# Altium PCB CATS-Telemetry.PcbDoc
Units mm, origin at the board's own origin, x right, y up, seen from the top; angles counter-clockwise.
Board outline 66 x 33 mm, 4 copper layers (Top Layer, Mid Layer 1, Mid Layer 2, Bottom Layer), stack 1.57 mm thick; 48 components, 39 nets, 218 pads, 0 vias.
Unrouted connection lines stored in the file: 146.
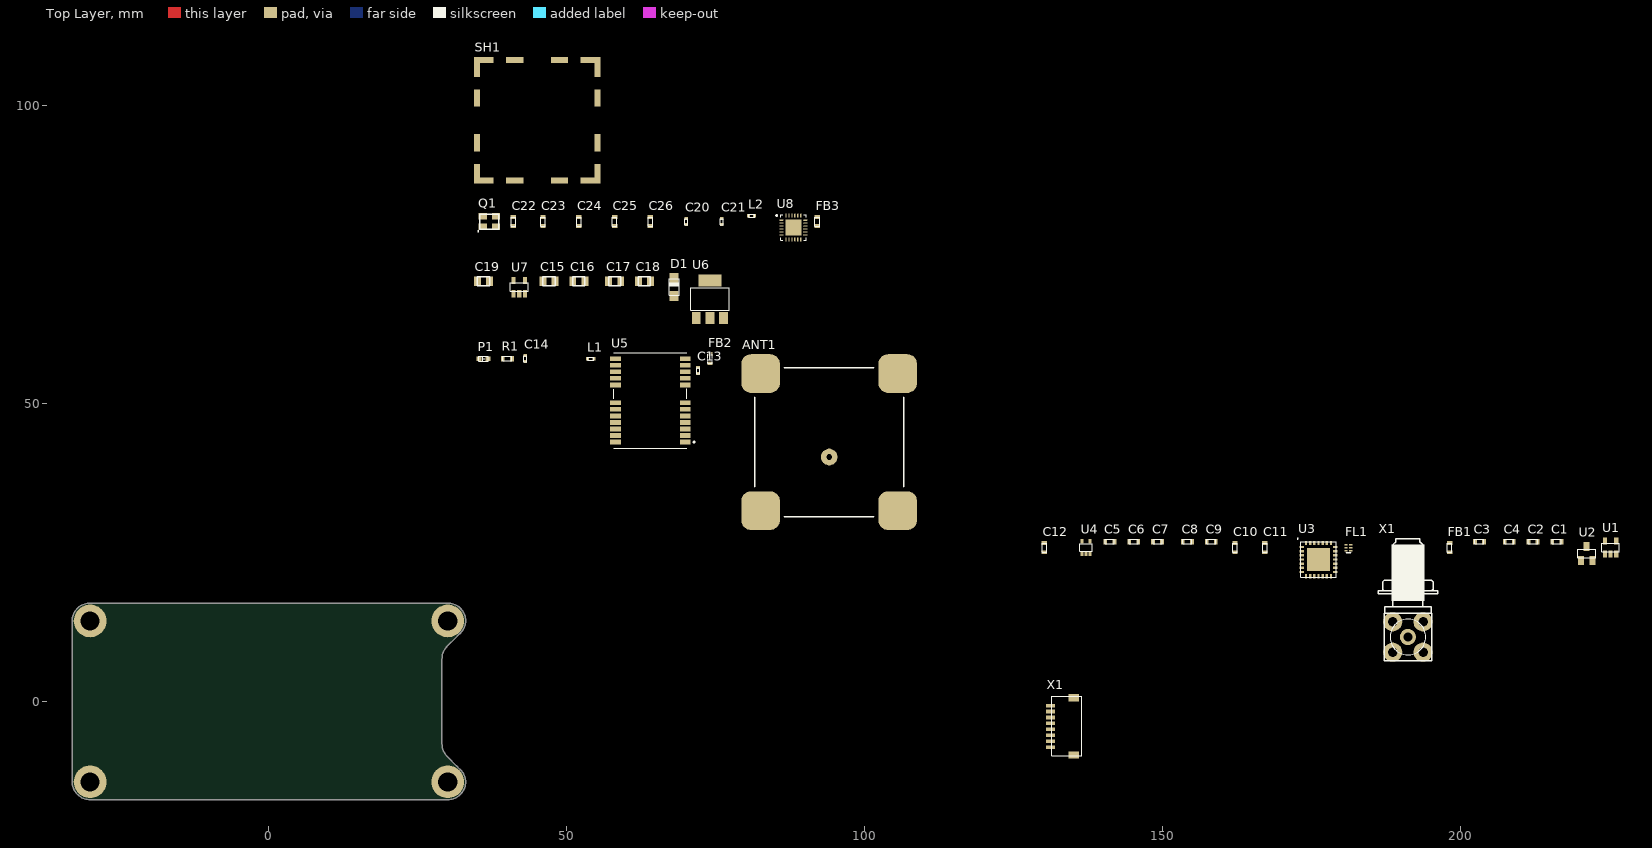
[diagram p0: Top Layer view]
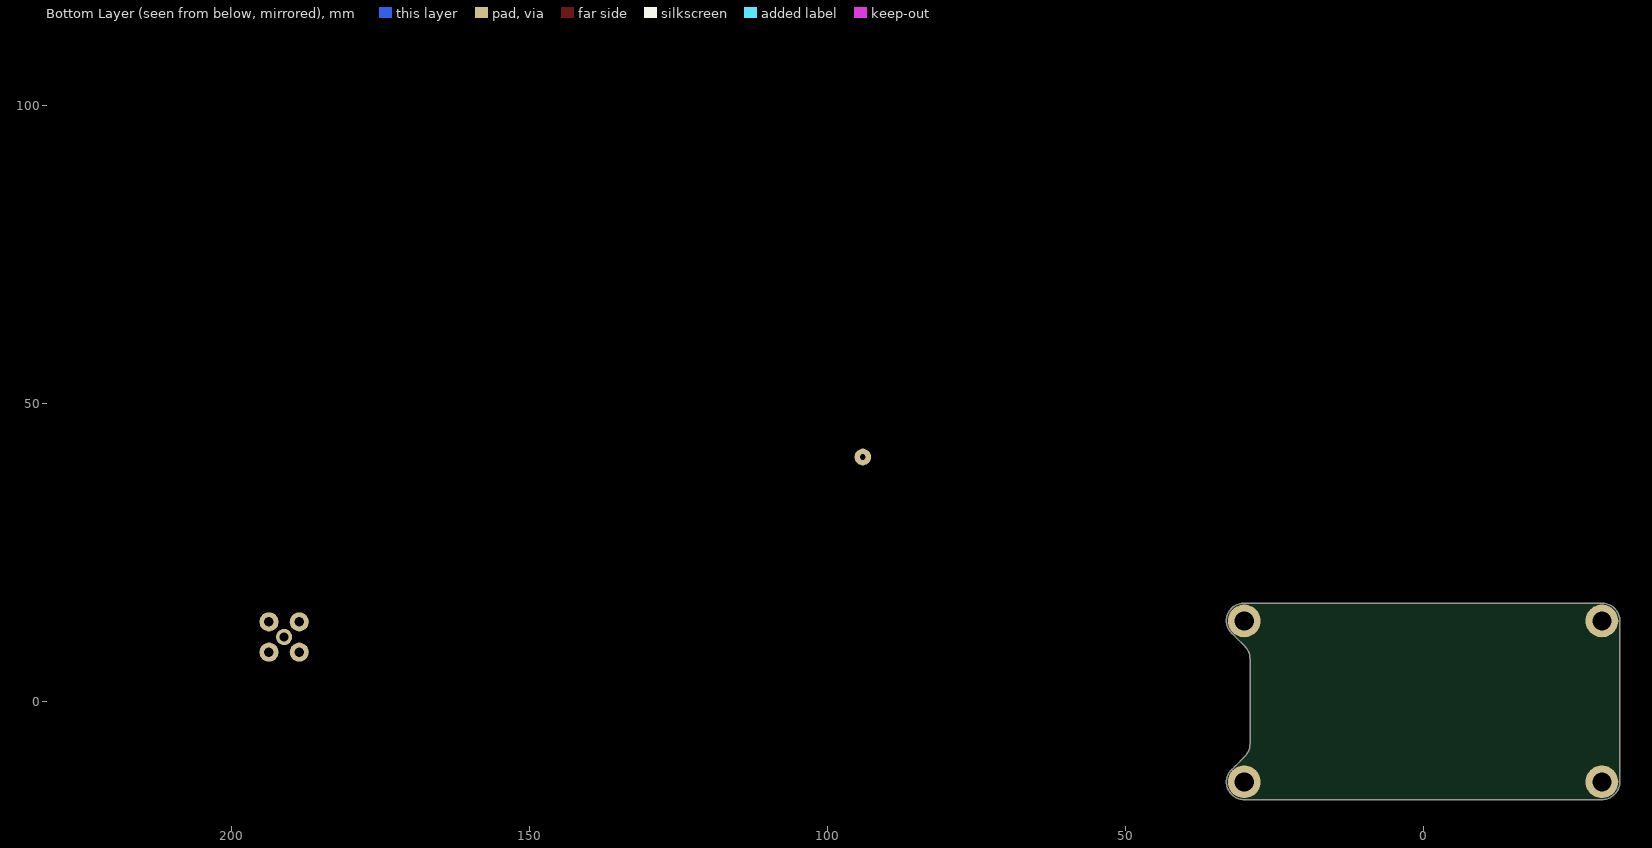
[diagram p1: Bottom Layer view, seen from below]

## Layer stack, top to bottom
Top Solder: solder mask 0.0127, Solder Resist, Dk 3.8
Top Layer: signal copper 0.035
Dielectric 1: prepreg 0.1, 2313, Dk 4.05
Mid Layer 1: signal copper 0.0175
Core: core 1.265, FR-4, Dk 4.5
Mid Layer 2: signal copper 0.0175
Dielectric 2: prepreg 0.1, 2313, Dk 4.05
Bottom Layer: signal copper 0.035
Bottom Solder: solder mask 0.0127, Solder Resist, Dk 3.8

## Board outline
-30,-16.5 cw(c-30,-13.5) -33,-13.5 -33,13.5 cw(c-30,13.5) -30,16.5 30,16.5 cw(c30,13.5) 33,13.5 cw(c30.199,13.5) 32.18,11.519 31.664,11.004 31.479,10.819 29.93,9.27 ccw(c32.098,7.102) 29.032,7.102 29.032,-7.102 ccw(c32.098,-7.102) 29.93,-9.27 31.479,-10.819 31.664,-11.004 32.18,-11.519 cw(c30.199,-13.5) 33,-13.5 cw(c30,-13.5) 30,-16.5

## Design rules (kind name [scope] priority, off if disabled: settings)
Clearance [All] p1: gap=0.254 ignorepadtopadclearanceinfootprint=FALSE except(0: Arc-Hole Track-Hole SMDPad-Hole THPad-Hole Via-Hole Fill-Hole Poly-Hole Region-Hole Text-Hole)
MaxMinImpedance "Schematic Impedance Constraint_9" [InNet('NetC21_2')] p1: minimum=50,00 maximum=50,00
MaxMinImpedance "Schematic Impedance Constraint_8" [InNet('NetC21_2')] p2: minimum=50,00 maximum=50,00
MaxMinImpedance "Schematic Impedance Constraint_7" [InNet('NetC21_2')] p3: minimum=50,00 maximum=50,00
MaxMinImpedance "Schematic Impedance Constraint_6" [InNet('NetFL1_5')] p4: minimum=50,00 maximum=50,00
MaxMinImpedance "Schematic Impedance Constraint_5" [InNet('NetC20_2')] p5: minimum=50,00 maximum=50,00
MaxMinImpedance "Schematic Impedance Constraint_1" [InNet('NetFL1_2')] p6: minimum=50,00 maximum=50,00
PolygonConnect [All] p1: connectstyle=Relief reliefconductorwidth=0.254 reliefentries=4 polygonreliefangle="90 Angle" airgapwidth=0.254
RoomDefinition U_RF [InComponentClass('U_RF')] p1: confinementstyle=ConfineIn formatcopy=TRUE lockcomponents=FALSE outline 34,86.5 56,86.5 56,111.5 34,111.5
RoomDefinition U_Radio [InComponentClass('U_Radio')] p2: confinementstyle=ConfineIn formatcopy=TRUE lockcomponents=FALSE outline 34,76.5 97,76.5 97,85.5 34,85.5
RoomDefinition U_PM [InComponentClass('U_PM')] p3: confinementstyle=ConfineIn formatcopy=TRUE lockcomponents=FALSE outline 34,62.5 78,62.5 78,75.5 34,75.5
RoomDefinition U_GNSS [InComponentClass('U_GNSS')] p4: confinementstyle=ConfineIn formatcopy=TRUE lockcomponents=FALSE outline 34,28.5 109,28.5 109,61.5 34,61.5
RoomDefinition U_Frontend [InComponentClass('U_Frontend')] p5: confinementstyle=ConfineIn formatcopy=TRUE lockcomponents=FALSE outline 129.1,-10.2 227.1,-10.2 227.1,30.8 129.1,30.8
RoutingVias [All] p1: holewidth=0.711 width=1.27 viastyle="Through Hole" minholewidth=0.711 minwidth=1.27 maxholewidth=0.711 maxwidth=1.27
SolderMaskExpansion [All] p1: expansion=0.102
Width [All] p1: maxlimit=0.254 minlimit=0.254 preferedwidth=0.254
30 further rules are at their usual default settings.

## Classes and differential pairs
component class U_RF: SH1
component class U_Radio: C20 C21 C22 C23 C24 C25 C26 FB3 L2 Q1 U8
component class U_PM: C15 C16 C17 C18 C19 D1 U6 U7
component class U_GNSS: ANT1 C13 C14 FB2 L1 P1 R1 U5
component class U_Frontend: C1 C2 C3 C4 C5 C6 C7 C8 C9 C10 C11 C12 FB1 FL1 U1 U2 U3 U4 X1
component class Overview: X1

## Components (designator, comment, footprint, x,y, rotation, side; value= is the part's Value field where it differs from the comment)
ANT1 "ANT-GNSSCP-TH25L1" "THT ANTENNA ANT-GNSSCP-TH25L1" 94,43.5 r0 top
C1 "100nF" "SMD KERAMIKKONDENSATOR 0603" 216.1,26.8 r0 top
C2 "100nF" "SMD KERAMIKKONDENSATOR 0603" 212.1,26.8 r0 top
C3 "100nF" "SMD KERAMIKKONDENSATOR 0603" 203.1,26.8 r0 top
C4 "10nF" "SMD KERAMIKKONDENSATOR 0603" 208.1,26.8 r0 top
C5 "10uF" "SMD KERAMIKKONDENSATOR 0603" 141.1,26.8 r0 top
C6 "10pF" "SMD KERAMIKKONDENSATOR 0603" 145.1,26.8 r0 top
C7 "100nF" "SMD KERAMIKKONDENSATOR 0603" 149.1,26.8 r0 top
C8 "10pF" "SMD KERAMIKKONDENSATOR 0603" 154.1,26.8 r0 top
C9 "10pF" "SMD KERAMIKKONDENSATOR 0603" 158.1,26.8 r0 top
C10 "100nF" "SMD KERAMIKKONDENSATOR 0603" 162.1,25.8 r90 top
C11 "100nF" "SMD KERAMIKKONDENSATOR 0603" 167.1,25.8 r90 top
C12 "100nF" "SMD KERAMIKKONDENSATOR 0603" 130.1,25.8 r90 top
C13 "TBD" "SMD KERAMIKKONDENSATOR 0402" 72,55.508 r90 top
C14 "TBD" "SMD KERAMIKKONDENSATOR 0402" 43,57.5 r90 top
C15 "22uF" "SMD KERAMIKKONDENSATOR 0805" 47,70.5 r0 top
C16 "22uF" "SMD KERAMIKKONDENSATOR 0805" 52,70.5 r0 top
C17 "22uF" "SMD KERAMIKKONDENSATOR 0805" 58,70.5 r0 top
C18 "22uF" "SMD KERAMIKKONDENSATOR 0805" 63,70.5 r0 top
C19 "22uF" "SMD KERAMIKKONDENSATOR 0805" 36,70.5 r0 top
C20 "TBD" "SMD KERAMIKKONDENSATOR 0402" 70,80.5 r90 top
C21 "TBD" "SMD KERAMIKKONDENSATOR 0402" 76,80.5 r90 top
C22 "100nF" "SMD KERAMIKKONDENSATOR 0603" 41,80.5 r90 top
C23 "100nF" "SMD KERAMIKKONDENSATOR 0603" 46,80.5 r90 top
C24 "10nF" "SMD KERAMIKKONDENSATOR 0603" 52,80.5 r90 top
C25 "470nF" "SMD KERAMIKKONDENSATOR 0603" 58,80.5 r90 top
C26 "10nF" "SMD KERAMIKKONDENSATOR 0603" 64,80.5 r90 top
D1 "PMEG4030ER,115" "SMD DIODE SOD-123" 68,69.5 r90 top
FB1 "BLM18KG102SN1D" "SMD FERRITE BEAD 0603" 198.1,25.8 r90 top
FB2 "BLM18KG102SN1D" "SMD FERRITE BEAD 0603" 74,57.5 r90 top
FB3 "BLM18KG102SN1D" "SMD FERRITE BEAD 0603" 92,80.5 r90 top
FL1 "2450LP14A100T" "SMD FILTER 2450LP14A100T" 181.1,25.8 r0 top
L1 "TBD" "SMD FERRITE BEAD 0402" 54,57.5 r0 top
L2 "TBD" "SMD FERRITE BEAD 0402" 81,81.5 r0 top
P1 "LED" "SMD LED 0603" 36,57.5 r0 top
Q1 "52MHz" "SMD CRYSTAL 3.2X2.5X0.8" 37,80.5 r0 top
R1 "1.0k" "SMD WIDERSTAND 0603" 40,57.5 r0 top
SH1 "RF-Shield" "SMD SHIELD 36903205S" 45,97.5 r0 top
U1 "TPS793285DBVR" "SMD IC SOT-23-5" 225.1,25.8 r0 top
U2 "TMP236" "SMD IC SOT-23" 221.1,24.8 r0 top
U3 "SKY65383-11" "SMD IC 28-MCM" 176.1,23.8 r0 top
U4 "NC7SZ04P5X" "SMD IC SOT-353 (SC-70-5)" 137.1,25.8 r0 top
U5 "NEO-M9N" "SMD NEO" 64,50.5 r0 top
U6 "MIC39100-3.3WS-TR" "SMD IC SOT-223-3" 74,67.5 r0 top
U7 "XC6219A332MR" "SMD IC SOT-23-5" 42,69.5 r0 top
U8 "SX1280IMLTRT" "SMD IC QFN-24" 88,79.5 r0 top
X1 "SMA" "THT BUCHSE SMA FEMALE" 191.1,10.8 r0 top
X1 "JST SH 8-Pin" "SMD CONNECTOR JST-SR 8 PIN" 133.1,-4.2 r90 top

## Footprints (in the part's own frame and the unit in brackets; to place one, negate y for a bottom-side part, rotate by r counter-clockwise, add the part's x,y. Pads: shape width x height; smd on the part's side, far side on the other; paste and mask are expansions set on the pad)
"SMD CONNECTOR JST-SR 8 PIN" [mm]
  rect 0.6x1.55 smd: 1(-3.5,1.95) 2(-2.5,1.95) 3(-1.5,1.95) 4(-0.5,1.95) 5(0.5,1.95) 6(1.5,1.95) 7(2.5,1.95) 8(3.5,1.95)
  rect 1.2x1.8 smd: NC(-4.8,-1.95) NC(4.8,-1.95)
  silkscreen extent -4.9,-3.25 5.1,1.75, body extent -4.9,-3.24 5.1,1.71, height 2.96
"SMD CRYSTAL 3.2X2.5X0.8" [mm] "SMD_LED_RED"
  rect 1.4x1.1 smd: 1(-1.1,-0.9) 2(1.1,0.9) 3(-1.1,0.9) 3(1.1,-0.9)
  silkscreen extent -2,-1.7 1.6,1.25, body extent -1.65,-1.3 1.65,1.3, height 0.8
"SMD DIODE SOD-123" [mm] "SM LED; 2 Flat Leads"
  rect 1.7x1.5 smd: A(-1.5,0) K(1.5,0)
  silkscreen extent -1.4,-0.88 1.4,0.9, body extent -1.93,-0.85 1.93,0.85, height 1.42
"SMD FERRITE BEAD 0402" [mil]
  rect 20x24 smd: 1(-20,0) 2(20,0)
  silkscreen extent -20,-10 20,10, body extent -20,-10 20,10, height 20
"SMD FERRITE BEAD 0603" [mil]
  rect 25x35 smd: 1(-30,0) 2(30,0)
  silkscreen extent -30,-15 30,15, body extent -31,-16 31,16, height 33
"SMD FILTER 2450LP14A100T" [mm]
  rect 0.55x0.25 smd: 1(-0.4,0.5) 2(-0.4,0) 3(-0.4,-0.5) 4(0.4,-0.5) 5(0.4,0) 6(0.4,0.5)
  silkscreen extent -0.38,-0.87 0.38,-0.87, body extent -0.5,-0.8 0.4,1.1, height 4.12
"SMD IC 28-MCM" [mm]
  rect 3.875x3.875 smd: 0(0,0)
  rect 0.7x0.4 smd: 1(-2.8,2.1) 2(-2.8,1.4) 3(-2.8,0.7) 4(-2.8,0) 5(-2.8,-0.7) 6(-2.8,-1.4) 7(-2.8,-2.1) 15(2.8,-2.1) 16(2.8,-1.4) 17(2.8,-0.7) 18(2.8,0) 19(2.8,0.7) 20(2.8,1.4) 21(2.8,2.1)
  rect 0.4x0.7 smd: 8(-2.1,-2.8) 9(-1.4,-2.8) 10(-0.7,-2.8) 11(0,-2.8) 12(0.7,-2.8) 13(1.4,-2.8) 14(2.1,-2.8) 22(2.1,2.8) 23(1.4,2.8) 24(0.7,2.8) 25(0,2.8) 26(-0.7,2.8) 27(-1.4,2.8) 28(-2.1,2.8)
  silkscreen extent -3.58,-3 3,3.58, body extent -3,-3 3,3, height 0.85
"SMD IC QFN-24" [mm] "QFN, 24-Leads, Body 4x4mm, Pitch 0.5mm, Thermal Pad 2.68x2.68mm, IPC Medium Density"
  rect 2.68x2.68 smd: 0(0,0)
  oval 0.7x0.22 smd: 1(-2,1.25) 2(-2,0.75) 3(-2,0.25) 4(-2,-0.25) 5(-2,-0.75) 6(-2,-1.25) 13(2,-1.25) 14(2,-0.75) 15(2,-0.25) 16(2,0.25) 17(2,0.75) 18(2,1.25)
  oval 0.22x0.7 smd: 7(-1.25,-2) 8(-0.75,-2) 9(-0.25,-2) 10(0.25,-2) 11(0.75,-2) 12(1.25,-2) 19(1.25,2) 20(0.75,2) 21(0.25,2) 22(-0.25,2) 23(-0.75,2) 24(-1.25,2)
  silkscreen extent -2.92,-2.15 2.15,2.15, body extent -2,-2 2,2, height 0.9
"SMD IC SOT-23" [mm]
  rect 1x1.5 smd: 1(-0.95,-1.2) 2(0.95,-1.2) 3(0,1.2)
  silkscreen extent -1.5,-0.7 1.5,0.7, body extent -1.5,-1.3 1.5,1.2, height 1.1
"SMD IC SOT-23-5" [mm]
  rect 0.7x1.2 smd: 1(-0.95,-1.1) 2(0,-1.1) 3(0.95,-1.1) 4(0.95,1.1) 5(-0.95,1.1)
  silkscreen extent -1.5,-0.7 1.5,0.7, body extent -1.5,-1.2 1.5,1.3, height 1.1
"SMD IC SOT-223-3" [mm]
  rect 1.5x2 smd: 1(-2.3,-3.15) 2(0,-3.15) 3(2.3,-3.15)
  rect 3.8x2 smd: 2(0,3.15)
  silkscreen extent -3.2,-1.9 3.2,1.9, body extent -3.25,-3.48 3.25,3.48, height 1.65
"SMD IC SOT-353 (SC-70-5)" [mm]
  rect 0.5x0.8 smd: 1(-0.65,-1.05) 2(0,-1.05) 3(0.65,-1.05) 4(0.65,1.05) 5(-0.65,1.05)
  silkscreen extent -1.05,-0.63 1.05,0.63, body extent -1.05,-1.15 1.05,1.15, height 1
"SMD KERAMIKKONDENSATOR 0402" [mil]
  rect 20x24 smd: 1(-20,0) 2(20,0)
  silkscreen extent -20,-10 20,10, body extent -20,-10 20,10, height 20
"SMD KERAMIKKONDENSATOR 0603" [mil]
  rect 25x35 smd: 1(-30,0) 2(30,0)
  silkscreen extent -30,-15 30,15, body extent -31,-16 32,16, height 32
"SMD KERAMIKKONDENSATOR 0805" [mil]
  rect 45x65 smd: 1(-40,0) 2(40,0)
  silkscreen extent -40,-30 40,30, body extent -39,-25 39,25, height 31
"SMD LED 0603" [mm] "SMD_LED_RED"
  rect 0.8x0.8 smd: A(-0.75,0) K(0.75,0)
  silkscreen extent -0.8,-0.4 0.8,0.4, body extent -0.81,-0.37 0.84,0.36, height 0.68
"SMD NEO" [mm]
  rect 1.8x0.8 smd paste-0.1: 1(5.842,-7) 2(5.842,-5.9) 3(5.842,-4.8) 4(5.842,-3.7) 5(5.842,-2.6) 6(5.842,-1.5) 7(5.842,-0.4) 8(5.842,2.6) 9(5.842,3.7) 10(5.842,4.8) 11(5.842,5.9) 12(5.842,7) 13(-5.842,7) 14(-5.842,5.9) 15(-5.842,4.8) 16(-5.842,3.7) 17(-5.842,2.6) 18(-5.842,-0.4) 19(-5.842,-1.5) 20(-5.842,-2.6) 21(-5.842,-3.7) 22(-5.842,-4.8) 23(-5.842,-5.9) 24(-5.842,-7)
  silkscreen extent -6.11,-8 7.41,8, body extent -6.1,-8 6.1,8, height 2.28
"SMD SHIELD 36903205S" [mm]
  rect 1x3.3 smd: 0(-10.1,-8.95) 0(-10.1,8.95) 0(10.1,-8.95) 0(10.1,8.95)
  rect 1x2.9 smd: 0(-10.1,-3.75) 0(-10.1,3.75) 0(10.1,-3.75) 0(10.1,3.75)
  rect 3.3x1 smd: 0(-8.95,-10.1) 0(-8.95,10.1) 0(8.95,-10.1) 0(8.95,10.1)
  rect 2.9x1 smd: 0(-3.75,-10.1) 0(-3.75,10.1) 0(3.75,-10.1) 0(3.75,10.1)
  body extent -10.2,-10.2 10.2,10.2, height 3.2
"SMD WIDERSTAND 0603" [mil]
  rect 25x35 smd: 1(-30,0) 2(30,0)
  silkscreen extent -30,-15 30,15, body extent -31,-16 31,16, height 18
"THT ANTENNA ANT-GNSSCP-TH25L1" [mm]
  round 2.8 hole 0.95: 1(0,-2.5)
  rrect50% 6.5x6.5 smd: NC(-11.5,-11.5) NC(-11.5,11.5) NC(11.5,-11.5) NC(11.5,11.5)
  silkscreen extent -12.5,-12.5 12.5,12.5, body extent -12.55,-12.55 12.55,12.55, height 4.12
"THT BUCHSE SMA FEMALE" [mm]
  round 2.7 hole 1.5: 1(0,0)
  round 3.2 hole 1.6: 2(-2.54,-2.54) 2(-2.54,2.54) 2(2.54,-2.54) 2(2.54,2.54)
  silkscreen extent -5,-4 5,16.5, body extent -5.1,-4 5.1,16.5, height 11.5

## Part data
ANT1: "1.575GHz, 1.602GHz Beidou, Galileo, GLONASS, GNSS, GPS Ceramic Patch RF Antenna 1.567GHz ~ 1.609GHz 3.5dBi, 4dBi, 4dBi Pin Adhesive", ComponentLink1Description=Datasheet, ComponentLink1URL=https://linxtechnologies.com/wp/wp-content/uploads/ant-gnsscp-th25l1-ds.pdf
C1 C2 C3 C7 C10 C11 C12 C22 C23: library part "E6 - 100nF", "SMD Ceramic Capacitor E6", Number=-, Supplier=-, Unit Price=0.01
C4 C24 C26: library part "E6 - 10nF", "SMD Ceramic Capacitor E6", Number=-, Supplier=-, Unit Price=0.01
C5: library part "E6 - 10uF", "SMD Ceramic Capacitor E6", Number=-, Supplier=-, Unit Price=0.01
C6 C8 C9 C13 C14 C20 C21: library part "E6 - 10pF", "SMD Ceramic Capacitor E6", Number=-, Supplier=-, Unit Price=0.01
C15 C16 C17 C18 C19: library part "E6 - 22uF", "SMD Ceramic Capacitor E6", Number=-, Supplier=-, Unit Price=0.01
C25: library part "E6 - 470nF", "SMD Ceramic Capacitor E6", Number=-, Supplier=-, Unit Price=0.01
D1: "Diode Schottky 3A Surface Mount CFP3", Digikey=1727-5313-2-ND
FB1 FB2 FB3: "1 kOhms @ 100MHz 1 Power Line Ferrite Bead 0603 (1608 Metric) 1A 200mOhm", ComponentLink1Description=Datasheet, ComponentLink1URL=https://www.murata.com/en-us/products/productdata/8796738650142/ENFA0003.pdf, Digikey=490-17349-1-ND
FL1: "2.45GHz Center Frequency Low Pass RF Filter (Radio Frequency) 100MHz Bandwidth 0.5dB 0603 (1608 Metric), 6 PC Pad", ComponentLink1Description=Datasheet, ComponentLink1URL=https://www.johansontechnology.com/datasheets/2450LP14A100/2450LP14A100.pdf, Digikey=712-1129-2-ND
L1 L2: library part "Inductor Pi-Matching", "Pi-Matchng Inductor"
P1: "Color LED"
Q1: library part "Crystal 52MHz - FL520WFMT1", "52MHz ±7ppm Crystal 12pF 30 Ohms 4-SMD, No Lead", ComponentLink1Description=Datasheet, ComponentLink1URL=https://www.diodes.com/assets/Datasheets/FL.pdf
R1: library part "E24 - 1.0k", "SMD Chip Resistor E24", Number=-, Supplier=-, Unit Price=0.01
SH1: library part "RF-Shield 20x20mm", "RF Shield Cover 0.787\" (20.00mm) X 0.787\" (20.00mm) Non-Vented Snap Fit"
U1: "Linear Voltage Regulator IC Positive Fixed 1 Output  200mA SOT-23-5 2.85V", ComponentLink1Description=Datasheet, ComponentLink1URL=https://media.digikey.com/pdf/Data%20Sheets/Texas%20Instruments%20PDFs/TPS793_Rev2015.pdf, Digikey=296-12157-1-ND
U2: "Low-Power, High-Accuracy Analog Output Temperature Sensors", ComponentLink1Description=Datasheet, ComponentLink1URL=https://www.ti.com/lit/ds/symlink/tmp236.pdf?HQS=dis-dk-null-digikeymode-dsf-pf-null-wwe&ts=1624574807670&ref_url=https%253A%252F%252Fwww.digikey.ch%252F, Digikey=296-TMP236A4DBZRCT-ND
U3: "2400 to 2483 MHz Transmit/Receive / Front-End Module +30dBm", ComponentLink1Description=Datasheet, ComponentLink1URL=https://www.skyworksinc.com/-/media/SkyWorks/Documents/Products/2901-3000/SKY65383-11_202668G.pdf, Digikey=863-1798-1-ND
U4: "Inverter IC 1 Channel  SC-70-5", ComponentLink1Description=Datasheet, ComponentLink1URL=https://rocelec.widen.net/view/pdf/vg5irfcitj/ONSM-S-A0003590433-1.pdf?t.download=true&u=5oefqw
U5: "u-blox M9 standard precision module", ComponentLink1Description=Datasheet, ComponentLink1URL=https://www.u-blox.com/sites/default/files/NEO-M9N_Integrationmanual_%28UBX-19014286%29.pdf, Digikey=672-NEO-M9N-00BTR-ND
U6: "Linear Voltage Regulator IC Positive Fixed 1 Output 1A SOT-223-3", ComponentLink1Description=Datasheet, ComponentLink1URL=https://ww1.microchip.com/downloads/en/DeviceDoc/20005834A.pdf, Digikey=MIC39100-3.3WS-TR-ND
U7: "300mA High Speed LDO Regulators with ON/OFF Switch", ComponentLink1Description=Datasheet, ComponentLink1URL=https://datasheet.lcsc.com/szlcsc/1809201520_Torex-Semicon-XC6219A332MR_C58229.pdf, Digikey=893-1167-1-ND
U8: "Long Range, Low Power, 2.4 GHz / Transceiver with Ranging Capability", ComponentLink1Description=Datasheet, ComponentLink1URL=https://media.digikey.com/pdf/Data%20Sheets/Semtech%20PDFs/SX1280-81_Rev3.2_Mar2020.pdf, Digikey=SX1280IMLTRTCT-ND
X1: library part "SMA Connector", "Female SMA Connector THT", Digikey=931-1361-ND
X1: "Crimp Style Connectors (Wire-to-Board type)", Digikey=455-1808-1-ND

## Free pads (board coordinates)
  round 5.5 hole 3.2: NC(-30,-13.5) NC(-30,13.5) NC(30,-13.5) NC(30,13.5)

## Nets (pads, with @x,y where several pads share a name; then routed paths per layer and width w, separated by ;. In a path a pad name is that pad's centre, name@x,y a point inside that pad or via, vN(x,y) a via of type N, cw(c..) or ccw(c..) an arc to the next point about the centre after c; other vN are vias at no path point)
2V85: C3.2 C10.2 C11.2 U1.5 U3.27 U3.28
3V3: C1.2 C12.2 C19.2 C23.2 U2.1 U4.5 U7.5 U8.11
3V3A: C2.2 C18.2 FB1.2 FB2.2 FB3.2 U1.1 U6.3
5V: D1.A X1.1@131.15,-7.7
GND: C1.1 C2.1 C3.1 C4.1 C5.1 C6.1 C7.1 C8.1 C9.1 C10.1 C11.1 C12.1 C13.1 C14.1 C15.1 C16.1 C17.1 C18.1 C19.1 C20.1 C21.1 C22.1 C23.1 C24.1 C25.1 C26.1 FL1.1 FL1.3 FL1.4 FL1.6 P1.K Q1.3 SH1.0 U1.2 U2.3 U3.0 U3.4 U3.6 U3.7 U3.9 U3.10 U3.11 U3.12 U3.13 U3.14 U3.16 U3.17 U3.18 U3.19 U3.20 U3.21 U3.23 U3.24 U3.25 U4.3 U5.7 U5.10 U5.12 U5.13 U5.24 U6.2 U7.2 U8.0 U8.5 U8.13 U8.20 U8.21 U8.23 U8.24 X1.2 X1.8
NetANT1_1: ANT1.1 C14.2 L1.2
NetC4_2: C4.2 U1.4
NetC5_2: C5.2 C6.2 C7.2 C8.2 C9.2 FB1.1 U3.8 U3.22 U3.26
NetC13_2: C13.2 L1.1 U5.11
NetC15_2: C15.2 C16.2 C17.2 D1.K U6.1 U7.1 U7.3
NetC20_2: C20.2 L2.1 U8.22
NetC21_2: C21.2 L2.2 U3.5
NetC22_2: C22.2 FB3.1 U8.15
NetC24_2: C24.2 C25.2 U8.2 U8.12
NetC26_2: C26.2 U8.1
NetFB2_1: FB2.1 U5.22 U5.23
NetFL1_2: FL1.2 U3.15
NetFL1_5: FL1.5 X1.1@191.1,10.8
NetP1_A: P1.A R1.1
NetQ1_1: Q1.1 U8.4
NetQ1_2: Q1.2 U8.6
NetR1_2: R1.2 U5.3
NetU1_3: U1.3 U3.2 U4.2
NetU2_2: U2.2
NetU3_1: U3.1
NetU3_3: U3.3 U4.4
NetU5_20: U5.20
NetU5_21: U5.21
NetU8_7: U8.7
NetU8_8: U8.8
NetU8_9: U8.9
NetU8_16: U8.16
NetU8_17: U8.17
NetU8_18: U8.18
NetU8_19: U8.19
NetX1_3: X1.3
NetX1_4: X1.4
NetX1_5: X1.5
NetX1_6: X1.6
pads on no net: ANT1.NC U4.1 U5.1 U5.2 U5.4 U5.5 U5.6 U5.8 U5.9 U5.14 U5.15 U5.16 U5.17 U5.18 U5.19 U7.4 U8.3 U8.10 U8.14 X1.7 X1.NC

## Silkscreen, mask and mechanical layers (free items; w line width, h text height)
Mechanical 1:
  lines w0.254: 30,-16.5 ccw(c30,-13.5) 33,-13.5 ccw(c30.199,-13.5) 32.18,-11.519 31.664,-11.004 31.479,-10.819 29.93,-9.27 cw(c32.098,-7.102) 29.032,-7.102 29.032,7.102 cw(c32.098,7.102) 29.93,9.27 31.479,10.819 31.664,11.004 32.18,11.519 ccw(c30.199,13.5) 33,13.5 ccw(c30,13.5) 30,16.5 ; 30,-16.5 30,-16.5 ; 30,-16.5 -30,-16.5 cw(c-30,-13.5) -33,-13.5 -33,13.5 cw(c-30,13.5) -30,16.5 30,16.5 ; 30,16.5 30,16.5